# Altium PCB Wireless Security Board.PcbDoc (part 1 of 2) (continued)
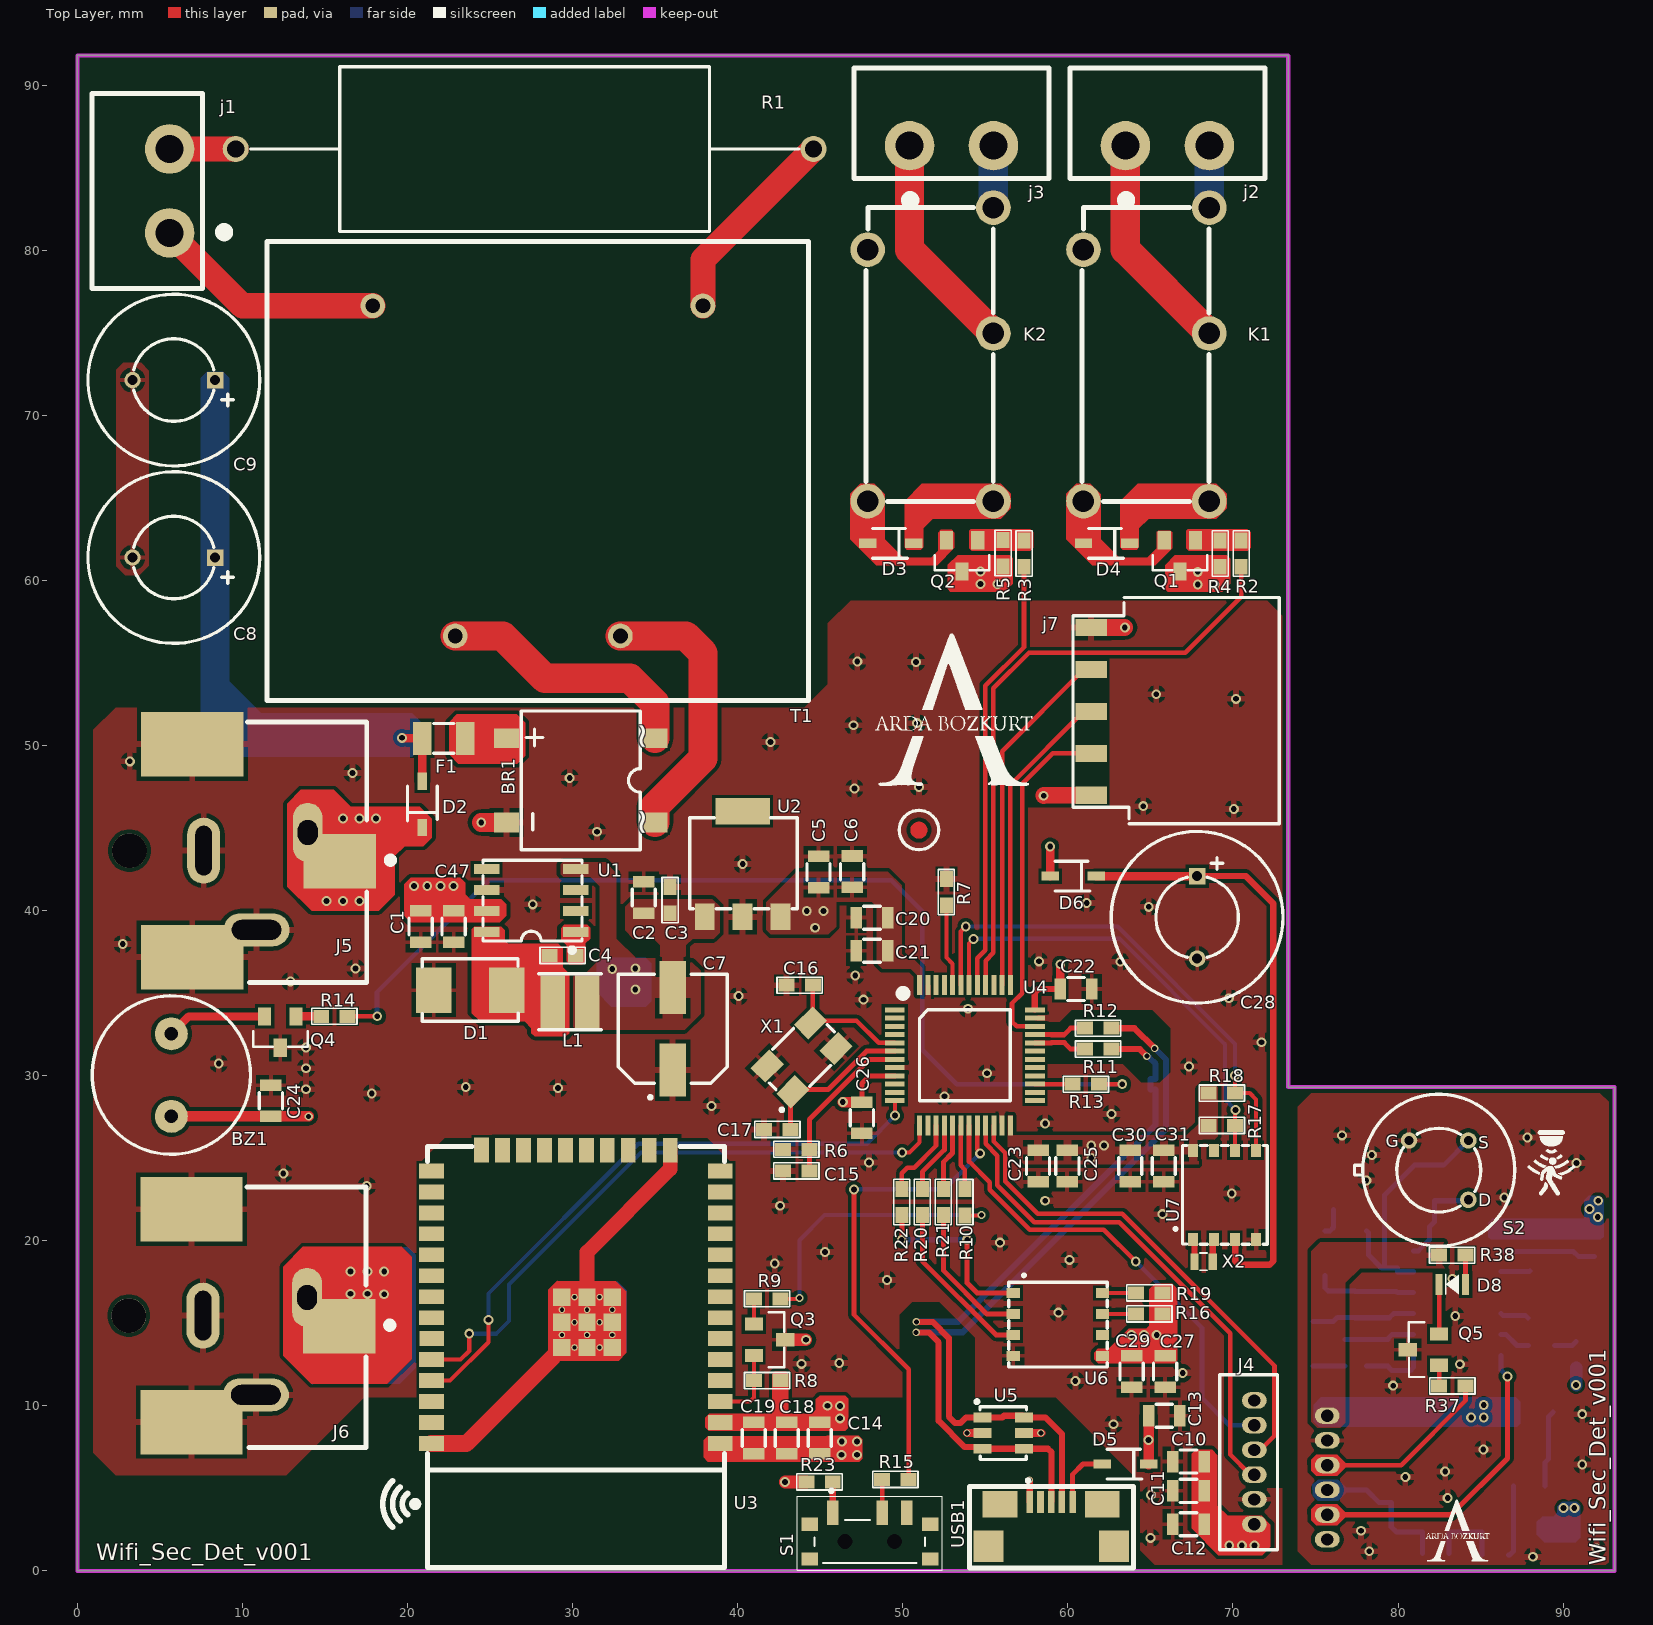
[diagram p0: Top Layer view]
## Part data (continued)
C7: library part "CAP ALUM 68UF", "Cap Aluminum Lytic 68uF 35V 20%( 6.3 X 7.7mm) SMD 0.34 Ohm 280mA 2000h 105C T/R", Manufacturer=KEMET, Supplier Part Number=80-EEV686M035A9HAA, Category="Aluminum Electrolytic Capacitors", ComponentLink1Description=https://datasheet.ciiva.com/5365/kem-a4002-eev-535332-5365784.pdf?src-supplier=Mouser, ComponentLink1URL=https://datasheet.ciiva.com/5365/kem-a4002-eev-535332-5365784.pdf?src-supplier=Mouser, Designed By="Arda B.", Manufacturer Part Number=EEV686M035A9HAA, Pricing="1=0,44, 10=0,299, 50=0,299, 100=0,203, 1000=0,16, 10000=0,139 (USD)", RoHS=Yes, Stock=14057, Supplier=Mouser
C8 C9 C28: library part "CAP ALUM  POL 470UF", "Cap, 470UF, 50V, Alu Elec, Radial", Manufacturer=KEMET, Supplier Part Number=80-ESH477M050AH4AA, ComponentLink1Description=https://api.kemet.com/component-edge/download/datasheet/ESH477M050AH4AA.pdf?src-supplier=Digikey, ComponentLink1URL=https://api.kemet.com/component-edge/download/datasheet/ESH477M050AH4AA.pdf?src-supplier=Digikey, ComponentLink2Description=https://datasheet.octopart.com/ESH477M050AH4AA-KEMET-datasheet-130075338.pdf?src-supplier=Newark, ComponentLink2URL=https://datasheet.octopart.com/ESH477M050AH4AA-KEMET-datasheet-130075338.pdf?src-supplier=Newark, Manufacturer Part Number=ESH477M050AH4AA, Pricing="1=0,57, 10=0,32, 50=0,32, 100=0,215, 1000=0,165, 10000=0,149 (USD)", RoHS=Yes, Stock=7720, Supplier=Mouser
C16 C17: library part "CAP CER 20pF 0603", "0603 20 pF 50 V ±5 % Tolerance C0G/NP0 SMT Multilayer Ceramic Capacitor", Manufacturer="Walsin Technologies", Supplier Part Number=1292-1498-1-ND, Category="Ceramic Capacitors", ComponentLink1Description=http://www.farnell.com/datasheets/2340522.pdf?src-supplier=Farnell, ComponentLink1URL=http://www.farnell.com/datasheets/2340522.pdf?src-supplier=Farnell, ComponentLink2Description=https://datasheet.octopart.com/0603N200J500CT-Walsin-Technologies-datasheet-85392065.pdf?src-supplier=Element14, ComponentLink2URL=https://datasheet.octopart.com/0603N200J500CT-Walsin-Technologies-datasheet-85392065.pdf?src-supplier=Element14, ComponentLink3Description=http://www.farnell.com/datasheets/2340522.pdf?src-supplier=Newark, ComponentLink3URL=http://www.farnell.com/datasheets/2340522.pdf?src-supplier=Newark, ComponentLink4Description=http://www.passivecomponent.com/wp-content/uploads/2018/10/MLCC.pdf?src-supplier=Digi-Key, ComponentLink4URL=http://www.passivecomponent.com/wp-content/uploads/2018/10/MLCC.pdf?src-supplier=Digi-Key, ComponentLink5Description=https://datasheet.octopart.com/0603N200J500CT-Walsin-Technologies-datasheet-128065749.pdf?src-supplier=Future+Electronics, ComponentLink5URL=https://datasheet.octopart.com/0603N200J500CT-Walsin-Technologies-datasheet-128065749.pdf?src-supplier=Future+Electronics, ComponentLink6Description=https://datasheet.octopart.com/0603N200J500CT-Walsin-Technologies-datasheet-136037192.pdf?src-supplier=TECHDesign, ComponentLink6URL=https://datasheet.octopart.com/0603N200J500CT-Walsin-Technologies-datasheet-136037192.pdf?src-supplier=TECHDesign, Designed By="Arda B.", Manufacturer Part Number=0603N200J500CT, Pricing="1=0,1, 10=0,035, 50=0,02, 100=0,0155, 500=0,01166, 1000=0,00917 (USD)", RoHS=Yes, Stock=42580, Supplier=Digi-Key
C19 C22 C23 C24 C25 C26 C29 C30 C35 C37 C41 C42: library part "CAP CER 100nF 0805", "Multilayer Ceramic Capacitor, 0.1 uF, 50 V, ± 10%, X7R, 0805 [2012 Metric]", Case Code (Metric)=2012, Case Code (Imperial)=0805, Dielectric=X7R, Dielectric Material=Ceramic, Manufacturer="Kyocera AVX", Max Operating Temperature=125°C, Min Operating Temperature=-55°C, Package Quantity=4000, Tolerance=10%, Voltage=50V, Case/Package=0805, Category="Ceramic Capacitors", ComponentLink1Description=https://datasheet.ciiva.com/19475/2009691-19475858.pdf?src-supplier=Jameco, ComponentLink1URL=https://datasheet.ciiva.com/19475/2009691-19475858.pdf?src-supplier=Jameco, ComponentLink2Description=https://datasheet.ciiva.com/11786/0900766b802d4698-11786116.pdf?src-supplier=Rs, ComponentLink2URL=https://datasheet.ciiva.com/11786/0900766b802d4698-11786116.pdf?src-supplier=Rs, ComponentLink3Description=https://datasheet.ciiva.com/5416/cx7r-5416959.pdf?src-supplier=Mouser, ComponentLink3URL=https://datasheet.ciiva.com/5416/cx7r-5416959.pdf?src-supplier=Mouser, ComponentLink4Description=https://datasheet.ciiva.com/2988/cx7r-2988014.pdf?src-supplier=Avnet, ComponentLink4URL=https://datasheet.ciiva.com/2988/cx7r-2988014.pdf?src-supplier=Avnet, ComponentLink5Description=https://datasheet.ciiva.com/16199/cx7r-16199014.pdf?src-supplier=Future+Electronics, ComponentLink5URL=https://datasheet.ciiva.com/16199/cx7r-16199014.pdf?src-supplier=Future+Electronics, ComponentLink6Description=https://datasheet.ciiva.com/11504/cx7r-11504044.pdf?src-supplier=Avnet, ComponentLink6URL=https://datasheet.ciiva.com/11504/cx7r-11504044.pdf?src-supplier=Avnet, ComponentLink7Description=https://datasheet.ciiva.com/150/cx7r-150258.pdf?src-supplier=Digi-Key, ComponentLink7URL=https://datasheet.ciiva.com/150/cx7r-150258.pdf?src-supplier=Digi-Key, ComponentLink8Description=https://datasheet.ciiva.com/150/cx7r-150257.pdf?src-supplier=Digi-Key, ComponentLink8URL=https://datasheet.ciiva.com/150/cx7r-150257.pdf?src-supplier=Digi-Key, ComponentLink9Description=https://datasheet.ciiva.com/150/cx7r-150259.pdf?src-supplier=Digi-Key, ComponentLink9URL=https://datasheet.ciiva.com/150/cx7r-150259.pdf?src-supplier=Digi-Key, ComponentLink10Description=https://datasheet.ciiva.com/7812/cx7r-7812079.pdf?src-supplier=Element14, ComponentLink10URL=https://datasheet.ciiva.com/7812/cx7r-7812079.pdf?src-supplier=Element14, Designed By="Arda B.", Height=0.5mm, Lead Free="Lead Free", Length=2mm, Manufacturer Part Number=08055C104KAT2A, Material=4241ConductorMaterial, Packaging="Cut Tape", Pricing="4000=0,0139, 8000=0,0127, 12000=0,0121, 20000=0,012, 24000=0,0115, 100000=0,0076 (USD)", RoHS=Yes, RoHS Compliant=Yes, Series="MLCC X7R", Stock=4448000, Supplier="Arrow Electronics", Supplier Part Number=08055C104KAT2A, Termination=Standard, Voltage Rating (AC)=50V, Voltage Rating (DC)=50V, Weight=0.001411oz, Width=1.2mm
C32 C34: library part "CAP CER 33uF 1206", "C Series 1206 33 uF 16 V ±20 % Tolerance X5R SMT Multilayer Ceramic Capacitor", Case Code (Metric)=3216, Case Code (Imperial)=1206, Dielectric=X5R, Dielectric Material=Ceramic, Manufacturer=TDK, Max Operating Temperature=85°C, Min Operating Temperature=-55°C, Package Quantity=2000, Supplier Part Number=445-6002-1-ND, Tolerance=20%, Voltage Rating=16V, Case/Package=1206, Category="Ceramic Capacitors", ComponentLink1Description=https://datasheet.ciiva.com/24219/c3216x5r1c336m160ab-265284-24219738.pdf?src-supplier=Mouser, ComponentLink1URL=https://datasheet.ciiva.com/24219/c3216x5r1c336m160ab-265284-24219738.pdf?src-supplier=Mouser, ComponentLink2Description=https://datasheet.ciiva.com/15192/getdatasheetpartid-714446-15192221.pdf?src-supplier=Verical, ComponentLink2URL=https://datasheet.ciiva.com/15192/getdatasheetpartid-714446-15192221.pdf?src-supplier=Verical, ComponentLink3Description=https://datasheet.ciiva.com/6285/tdkmlcccaprange-6285581.pdf?src-supplier=Digi-Key, ComponentLink3URL=https://datasheet.ciiva.com/6285/tdkmlcccaprange-6285581.pdf?src-supplier=Digi-Key, ComponentLink4Description=https://datasheet.ciiva.com/6285/tdkmlcccaprange-6285578.pdf?src-supplier=Digi-Key, ComponentLink4URL=https://datasheet.ciiva.com/6285/tdkmlcccaprange-6285578.pdf?src-supplier=Digi-Key, ComponentLink5Description=https://datasheet.ciiva.com/6285/tdkmlcccaprange-6285583.pdf?src-supplier=Digi-Key, ComponentLink5URL=https://datasheet.ciiva.com/6285/tdkmlcccaprange-6285583.pdf?src-supplier=Digi-Key, Construction=Flat, Depth=1.6mm, Designed By.="Arda B.", Height=1.6mm, Lead Free="Lead Free", Length=3.2mm, Manufacturer Part Number=C3216X5R1C336M160AB, Material=4241ConductorMaterial, Mounting Technology="Surface Mount", Packaging="Tape and Reel", Pricing="1=0,97, 10=0,7, 50=0,6118, 100=0,4985, 500=0,40788, 1000=0,35123 (USD)", Radiation Hardening=No, Reach SVHC Compliant=No, RoHS=Yes, RoHS Compliant=Yes, Series=C, Stock=80093, Supplier=Digi-Key, Termination=SMD/SMT, Voltage Rating (DC)=16V, Weight=0.000571oz, Width=1.6mm
D1: "Vz=5.6V 5.32V~5.88V Izt=66.9mA", Manufacturer="ON Semiconductor", Supplier Part Number=2411643, Workin Voltage=5,6V, Category="Zener Diodes", ComponentLink1Description=https://datasheet.ciiva.com/27747/1308331-27747654.pdf?src-supplier=Jameco, ComponentLink1URL=https://datasheet.ciiva.com/27747/1308331-27747654.pdf?src-supplier=Jameco, ComponentLink2Description=https://datasheet.ciiva.com/895/1smb5913bt3-d-895203.pdf?src-supplier=Digi-Key, ComponentLink2URL=https://datasheet.ciiva.com/895/1smb5913bt3-d-895203.pdf?src-supplier=Digi-Key, ComponentLink3Description=https://datasheet.ciiva.com/895/1smb5913bt3-d-895204.pdf?src-supplier=Digi-Key, ComponentLink3URL=https://datasheet.ciiva.com/895/1smb5913bt3-d-895204.pdf?src-supplier=Digi-Key, ComponentLink4Description=https://datasheet.ciiva.com/895/1smb5913bt3-d-895205.pdf?src-supplier=Digi-Key, ComponentLink4URL=https://datasheet.ciiva.com/895/1smb5913bt3-d-895205.pdf?src-supplier=Digi-Key, ComponentLink5Description=https://datasheet.ciiva.com/15198/getdatasheetpartid-311040-15198695.pdf?src-supplier=Verical, ComponentLink5URL=https://datasheet.ciiva.com/15198/getdatasheetpartid-311040-15198695.pdf?src-supplier=Verical, ComponentLink6Description=https://datasheet.ciiva.com/1182/1smb5913bt3-d-1182657.pdf?src-supplier=Element14, ComponentLink6URL=https://datasheet.ciiva.com/1182/1smb5913bt3-d-1182657.pdf?src-supplier=Element14, ComponentLink7Description=https://datasheet.ciiva.com/1182/1smb5913bt3-d-1182658.pdf?src-supplier=Element14, ComponentLink7URL=https://datasheet.ciiva.com/1182/1smb5913bt3-d-1182658.pdf?src-supplier=Element14, ComponentLink8Description=https://datasheet.ciiva.com/16311/1smb5913bt3-d-16311847.pdf?src-supplier=Future+Electronics, ComponentLink8URL=https://datasheet.ciiva.com/16311/1smb5913bt3-d-16311847.pdf?src-supplier=Future+Electronics, Designed By="Arda B.", Manufacturer Part Number=1SMB5919BT3G, Pricing="2500=0,0873, 7500=0,0839, 12500=0,0824, 25000=0,0803, 50000=0,0772 (USD)", RoHS=Yes, Stock=48000, Supplier="Future Electronics"
D2 D3 D4 D5 D6: library part "DIODE  75V 150MA SOD323F", "Diode Ultra Fast Recovery Rectifier 75V 0.15A 2-Pin SOD-323F T/R", Average Rectified Current=150mA, Manufacturer="ON Semiconductor / Fairchild", Max Forward Surge Current (Ifsm)=2A, Max Operating Temperature=150°C, Max Repetitive Reverse Voltage (Vrrm)=75V, Max Reverse Current=5uA, Min Operating Temperature=-55°C, Package Quantity=1, Supplier Part Number=1N4148WSFSCT-ND, Category="Rectifier Diodes", ComponentLink1Description=https://datasheet.ciiva.com/15208/getdatasheetpartid-127819-15208358.pdf?src-supplier=Verical, ComponentLink1URL=https://datasheet.ciiva.com/15208/getdatasheetpartid-127819-15208358.pdf?src-supplier=Verical, ComponentLink2Description=https://datasheet.ciiva.com/8300/1n914bws-8300360.pdf?src-supplier=Avnet, ComponentLink2URL=https://datasheet.ciiva.com/8300/1n914bws-8300360.pdf?src-supplier=Avnet, ComponentLink3Description=https://datasheet.ciiva.com/910/1n4148ws-910381.pdf?src-supplier=Digi-Key, ComponentLink3URL=https://datasheet.ciiva.com/910/1n4148ws-910381.pdf?src-supplier=Digi-Key, ComponentLink4Description=https://datasheet.ciiva.com/910/1n4148ws-910382.pdf?src-supplier=Digi-Key, ComponentLink4URL=https://datasheet.ciiva.com/910/1n4148ws-910382.pdf?src-supplier=Digi-Key, ComponentLink5Description=https://datasheet.ciiva.com/910/1n4148ws-910380.pdf?src-supplier=Digi-Key, ComponentLink5URL=https://datasheet.ciiva.com/910/1n4148ws-910380.pdf?src-supplier=Digi-Key, Designed By="Arda B.", Element Configuration=Single, Forward Current=150mA, Height=1mm, Lead Free="Lead Free", Length=1.8mm, Manufacturer Part Number=1N4148WS, Max Reverse Voltage (DC)=75V, Mounting Technology="Surface Mount", Packaging="Tape and Reel", Pins=2, Pricing="1=0,19, 10=0,136, 100=0,0733, 500=0,0576, 1000=0,04 (USD)", Radiation Hardening=No, Reach SVHC Compliant=No, Recovery Time=4ns, Reverse Recovery Time=4ns, Reverse Voltage=75V, RoHS=Yes, RoHS Compliant=Yes, Series=-, Stock=1155588, Supplier=Digi-Key, Weight=0.0276g, Width=1.35mm
D7: library part "LED GREEN 0805", "LED Low-Power Uni-Color Green 565nm 2.1V 2-Pin Chip LED T/R", Case Code (Metric)=2012, Case Code (Imperial)=0805, Color=Green, Forward Current=30mA, Forward Voltage=2.1V, Lens Color=Colorless, Manufacturer="Vishay Lite-On", Max Operating Temperature=85°C, Min Operating Temperature=-55°C, Package Quantity=3000, Power Dissipation=100mW, Reverse Voltage=5V, Supplier Part Number=160-1423-1-ND, Test Current=10mA, Case/Package=0805, Category=LEDs, ComponentLink1Description=https://datasheet.ciiva.com/2110/ltst-c171gkt-2110000.pdf?src-supplier=Digi-Key, ComponentLink1URL=https://datasheet.ciiva.com/2110/ltst-c171gkt-2110000.pdf?src-supplier=Digi-Key, ComponentLink2Description=https://datasheet.ciiva.com/11773/0900766b80dc0296-11773991.pdf?src-supplier=Rs, ComponentLink2URL=https://datasheet.ciiva.com/11773/0900766b80dc0296-11773991.pdf?src-supplier=Rs, ComponentLink3Description=https://datasheet.ciiva.com/12400/lite-on-ltst-c171gkt-190133-12400647.pdf?src-supplier=Mouser, ComponentLink3URL=https://datasheet.ciiva.com/12400/lite-on-ltst-c171gkt-190133-12400647.pdf?src-supplier=Mouser, ComponentLink4Description=https://datasheet.ciiva.com/2110/ltst-c171gkt-2110001.pdf?src-supplier=Digi-Key, ComponentLink4URL=https://datasheet.ciiva.com/2110/ltst-c171gkt-2110001.pdf?src-supplier=Digi-Key, ComponentLink5Description=https://datasheet.ciiva.com/2110/ltst-c171gkt-2110002.pdf?src-supplier=Digi-Key, ComponentLink5URL=https://datasheet.ciiva.com/2110/ltst-c171gkt-2110002.pdf?src-supplier=Digi-Key, ComponentLink6Description=https://datasheet.ciiva.com/16396/ltst-c171gkt-16396549.pdf?src-supplier=Future+Electronics, ComponentLink6URL=https://datasheet.ciiva.com/16396/ltst-c171gkt-16396549.pdf?src-supplier=Future+Electronics, Depth=1.25mm, Designed By="Arda B.", Dominant Wavelength=569nm, Height=0.9mm, Lead Free="Lead Free", Length=2mm, Lens Size=1.25mm, Lens Style=Flat,Diffused,Colorless,Rectangular,Clear, Lens Transparency=Clear, Luminous Intensity=12mcd, Manufacturer Part Number=LTST-C171GKT, Mounting Technology="Surface Mount", Number of Elements=1, Number of LEDs=1, Packaging="Tape and Reel", Pins=2, Power Rating=100mW, Pricing="1=0,25, 10=0,136, 100=0,063, 500=0,05818, 1000=0,04557 (USD)", Radiation Hardening=No, RoHS=Yes, RoHS Compliant=Yes, Series=-, Stock=371262, Supplier=Digi-Key, Viewing Angle=130°, Wavelength=565nm, Width=1.25mm, Illumination Color=Green
D8: library part "LED RED 0805", "LED Uni-Color Super Red 645nm 2-Pin Chip 0805(2012Metric) T/R", Case Code (Metric)=2012, Case Code (Imperial)=0805, Color=Red, Forward Current=25mA, Forward Voltage=2.5V, Lens Color=White, Manufacturer="Osram Opto", Manufacturer Part Number=LSR976-NR-1, Max Operating Temperature=85°C, Min Operating Temperature=-30°C, Package Quantity=16000, Power Dissipation=65mW, Reverse Voltage=12V, Supplier Part Number=475-LSR976-NR-1CT-ND, Test Current=20mA, Case/Package=0805, Category=LEDs, ComponentLink1Description=https://datasheet.ciiva.com/4688/o-ls-ly-r976-24152-4688435.pdf?src-supplier=Mouser, ComponentLink1URL=https://datasheet.ciiva.com/4688/o-ls-ly-r976-24152-4688435.pdf?src-supplier=Mouser, ComponentLink2Description=https://datasheet.ciiva.com/26920/getdatasheetpartid-568367-26920831.pdf?src-supplier=Verical, ComponentLink2URL=https://datasheet.ciiva.com/26920/getdatasheetpartid-568367-26920831.pdf?src-supplier=Verical, ComponentLink3Description=https://datasheet.ciiva.com/2112/00078896-0-2112782.pdf?src-supplier=Digi-Key, ComponentLink3URL=https://datasheet.ciiva.com/2112/00078896-0-2112782.pdf?src-supplier=Digi-Key, ComponentLink4Description=https://datasheet.ciiva.com/2112/00078896-0-2112781.pdf?src-supplier=Digi-Key, ComponentLink4URL=https://datasheet.ciiva.com/2112/00078896-0-2112781.pdf?src-supplier=Digi-Key, ComponentLink5Description=https://datasheet.ciiva.com/2112/00078896-0-2112783.pdf?src-supplier=Digi-Key, ComponentLink5URL=https://datasheet.ciiva.com/2112/00078896-0-2112783.pdf?src-supplier=Digi-Key, Depth=1.35mm, Designed By="Arda B.", Dominant Wavelength=633nm, Height=0.9mm, Length=2.1mm, Lens Size=1.25mm, Lens Style=Flat,Diffused,Colorless,Rectangular, Lens Transparency=Diffused, Luminous Flux=0.47lm, Luminous Intensity=180mcd, Mounting Technology="Surface Mount", Number of Elements=1, Number of LEDs=1, Packaging="Tape and Reel", Pins=2, Pricing="1=0,27, 10=0,147, 100=0,0683, 500=0,06302, 1000=0,04937, 2000=0,04832 (USD)", Radiation Hardening=No, RoHS=Yes, RoHS Compliant=Yes, Series="CHIPLED 0805", Stock=164692, Supplier=Digi-Key, Viewing Angle=160°, Wavelength=633nm, Width=1.25mm, Illumination Color=Red
F1: library part "FUSE 3413.0216.22", "Fuse Chip Fast Acting 1A 32V SMD Solder Pad 1206 Glass T/R VDE/cULus", Case Code (Metric)=3216, Case Code (Imperial)=1206, Current Rating=1A, DC Cold Resistance=94.2mR, Manufacturer=Schurter, Max Operating Temperature=90°C, Min Operating Temperature=-55°C, Package Quantity=1000, Supplier Part Number=486-1144-1-ND, Voltage Rating=32V, Voltage Rating (DC)=63V, Approvals=VDE,cURus, Body Material=Glass,Epoxy, Case/Package=1206, Category=Fuses, ComponentLink1Description=https://datasheet.ciiva.com/301/typ-usi-1206-301440.pdf?src-supplier=Digi-Key, ComponentLink1URL=https://datasheet.ciiva.com/301/typ-usi-1206-301440.pdf?src-supplier=Digi-Key, ComponentLink2Description=https://datasheet.ciiva.com/8264/typ-usi-1206-8264583.pdf?src-supplier=Avnet, ComponentLink2URL=https://datasheet.ciiva.com/8264/typ-usi-1206-8264583.pdf?src-supplier=Avnet, ComponentLink3Description=https://datasheet.ciiva.com/16316/typ-usi-1206-16316588.pdf?src-supplier=Future+Electronics, ComponentLink3URL=https://datasheet.ciiva.com/16316/typ-usi-1206-16316588.pdf?src-supplier=Future+Electronics, ComponentLink4Description=https://datasheet.ciiva.com/301/typ-usi-1206-301439.pdf?src-supplier=Digi-Key, ComponentLink4URL=https://datasheet.ciiva.com/301/typ-usi-1206-301439.pdf?src-supplier=Digi-Key, ComponentLink5Description=https://datasheet.ciiva.com/14541/70160006-14541114.pdf?src-supplier=Allied+Electronics, ComponentLink5URL=https://datasheet.ciiva.com/14541/70160006-14541114.pdf?src-supplier=Allied+Electronics, ComponentLink6Description=https://datasheet.ciiva.com/14102/qousi1206-data-e-14102903.pdf?src-supplier=Distrelec, ComponentLink6URL=https://datasheet.ciiva.com/14102/qousi1206-data-e-14102903.pdf?src-supplier=Distrelec, ComponentLink7Description=https://datasheet.ciiva.com/301/typ-usi-1206-301441.pdf?src-supplier=Digi-Key, ComponentLink7URL=https://datasheet.ciiva.com/301/typ-usi-1206-301441.pdf?src-supplier=Digi-Key, Contact Plating=Gold, Designed By="Arda B.", Fuse Type="Board Mount (Cartridge Style Excluded)", Height=0.6mm, Lead Free="Lead Free", Length=3.2mm, Manufacturer Part Number=3413.0216.22, Mounting Technology="Surface Mount,PCB", Packaging="Tape and Reel", Pins=2, Pricing="1=0,67, 50=0,524, 100=0,397, 500=0,345 (USD)", RoHS=Yes, RoHS Compliant=Yes, Series="USI 1206", Stock=19073, Supplier=Digi-Key, Terminal Material=Tin, Termination=SMD/SMT, Voltage Rating (AC)=32V, Weight=0.000212oz, Width=1.6mm, Working Voltage=32V
j1 j2 j3: library part "TERMINAL BLOCK, PLUGGABLE, 5.08,", "2~24 Poles, Pluggable, Receptacle, Horizontal, 5.08 Pitch, Terminal Block Connector", Manufacturer="CUI Devices", Supplier Part Number=102-6406-ND, Category="Terminal Blocks", ComponentLink1Description=https://www.cuidevices.com/product/resource/digikeypdf/tbp01r1-508.pdf?src-supplier=Digi-Key, ComponentLink1URL=https://www.cuidevices.com/product/resource/digikeypdf/tbp01r1-508.pdf?src-supplier=Digi-Key, ComponentLink2Description=https://datasheet.octopart.com/TBP01R1-508-02BE-CUI-Devices-datasheet-147843976.pdf?src-supplier=Future+Electronics, ComponentLink2URL=https://datasheet.octopart.com/TBP01R1-508-02BE-CUI-Devices-datasheet-147843976.pdf?src-supplier=Future+Electronics, ComponentLink3Description=https://datasheet.octopart.com/TBP01R1-508-02BE-CUI-Devices-datasheet-154730754.pdf?src-supplier=Electro+Sonic, ComponentLink3URL=https://datasheet.octopart.com/TBP01R1-508-02BE-CUI-Devices-datasheet-154730754.pdf?src-supplier=Electro+Sonic, Designed By="Arda B.", Manufacturer Part Number=TBP01R1-508-02BE, Pricing="1=0,48, 10=0,252, 25=0,1788, 50=0,152, 100=0,1466, 250=0,12396, 500=0,11464, 1000=0,10131, 5000=0,07731 (USD)", RoHS=Yes, Stock=106815, Supplier=Digi-Key
J4 J8: library part "PİN HEADER 1X6", "WR-WTB Wire-to-Board Connectors 1.50 mm", Manufacturer="Wurth Electronics", Supplier Part Number=732-64800611622-ND, Category=Uncategorized, Designed By.="Arda B.", Manufacturer Part Number=64800611622, Pricing="1=0,42, 50=0,406, 100=0,384, 250=0,361, 500=0,339 (USD)", RoHS=No, Stock=544, Supplier=Digi-Key
J5 J6: library part "CONN PWR JACK 2X5.5MM", "2.0 x 6.3 mm, 5.0 A, Horizontal, Surface Mount (SMT), Dc Power Jack Connector", Case/Package=SMD/SMT, Color=Black, Current Rating=5A, Flammability Rating="UL94 V-0", Manufacturer=CUI, Max Operating Temperature=85°C, Min Operating Temperature=-25°C, Package Quantity=200, Supplier Part Number=490-PJ-037AH-SMT-TR, Voltage Rating=24V, Insulation Resistance=100MR, Category=Uncategorized, ComponentLink1Description=http://www.mouser.com/ds/2/670/pj-037ah-smt-516065.pdf?src-supplier=Mouser, ComponentLink1URL=http://www.mouser.com/ds/2/670/pj-037ah-smt-516065.pdf?src-supplier=Mouser, ComponentLink2Description=https://www.cui.com/product/resource/digikeypdf/pj-037ah-smt-tr.pdf?src-supplier=Digi-Key, ComponentLink2URL=https://www.cui.com/product/resource/digikeypdf/pj-037ah-smt-tr.pdf?src-supplier=Digi-Key, ComponentLink3Description=http://www.cui.com/product/resource/digikeypdf/pj-037ah-smt.pdf?src-supplier=Digi-Key, ComponentLink3URL=http://www.cui.com/product/resource/digikeypdf/pj-037ah-smt.pdf?src-supplier=Digi-Key, Connector Type=Jack, Contact Gender=Male, Contact Material=Copper, Contact Plating=Nickel, Designed By="Arda B.", Gender=Male, Housing Color=Black, Housing Material=Thermoplastic, Manufacturer Part Number=PJ-037AH-SMT-TR, Mounting Technology="Surface Mount,Through Hole", Number of Conductors=2, Orientation=Horizontal, Packaging="Tape and Reel", RoHS=Yes, Shielding=Unshielded, Supplier=Mouser, Termination=Solder
j7: "Samtec - SMH-105-02-L-S - Receptacle, 2.54MM, Tht, R/a, 5WAY", Flammability Rating="UL94 V-0", Manufacturer=Samtec, Max Operating Temperature=125°C, Min Operating Temperature=-55°C, Supplier Part Number=SAM11813-ND, Insulation Color=Black, Category=Connectors, ComponentLink1Description=http://www.farnell.com/datasheets/1927708.pdf?_ga=2.237598468.569325269.1503285096-1413671594.1503025027&src-supplier=Farnell, ComponentLink1URL=http://www.farnell.com/datasheets/1927708.pdf?_ga=2.237598468.569325269.1503285096-1413671594.1503025027&src-supplier=Farnell, ComponentLink2Description=http://www.samtec.com/documents/webfiles/pdf/SMH.PDF?src-supplier=Newark, ComponentLink2URL=http://www.samtec.com/documents/webfiles/pdf/SMH.PDF?src-supplier=Newark, ComponentLink3Description=http://www.samtec.com/documents/webfiles/pdf/SMH.PDF?src-supplier=Avnet, ComponentLink3URL=http://www.samtec.com/documents/webfiles/pdf/SMH.PDF?src-supplier=Avnet, ComponentLink4Description=http://suddendocs.samtec.com/catalog_english/smh.pdf?src-supplier=Digi-Key, ComponentLink4URL=http://suddendocs.samtec.com/catalog_english/smh.pdf?src-supplier=Digi-Key, Connector Type=Receptacle, Contact Finish - Mating=GOLD, Contact Material=Bronze, Contact Plating=Gold, Contact Shape=Square, Contact Type=Forked, Designed By="Arda B.", Fastening Type=Pull, Gender=Receptacle, Manufacturer Part Number=SMH-105-02-L-S, Number of Contacts=5, Number of Positions=5, Number of Rows=1, Orientation=Horizontal, Packaging=Rail/Tube, Pitch=2.54mm, Pricing="1=2,18, 10=1,899, 100=1,6968, 500=1,414, 1000=1,212, 5000=1,07464 (USD)", Radiation Hardening=No, Reach SVHC Compliant=No, RoHS=Yes, RoHS Compliant=Yes, Series=SMH, Stock=38, Supplier=Digi-Key, Termination=Solder, Insulation Material=Polymer
K1 K2: "Electromechanical Relay 12VDC 360Ohm 10(NO)/3(NC)A SPDT (( 20mm 10mm 16mm)) THT Power Relay", Manufacturer=Panasonic, Supplier Part Number=255-3562-ND, Category="Power Relays", ComponentLink1Description=https://datasheet.ciiva.com/24388/307ds-61b20-en-lq-24388909.pdf?src-supplier=Onlinecomponents.com, ComponentLink1URL=https://datasheet.ciiva.com/24388/307ds-61b20-en-lq-24388909.pdf?src-supplier=Onlinecomponents.com, Designed By="Arda B.", Manufacturer Part Number=ALQ112, Pricing="1=1,28, 10=1,204, 25=1,0704, 50=1,017, 100=0,9635, 250=0,85648, 500=0,80296, 1000=0,74942, 5000=0,72266 (USD)", RoHS=Yes, Stock=456, Supplier=Digi-Key
L1: library part "IND 47UH 390MA 2.3 OHM SMD", "Power Inductor, Aec-Q200, 47Uh, 0.39A Rohs Compliant: Yes", Case Code (Metric)=3030, Case Code (Imperial)=1212, Current Rating=390mA, DC Resistance (DCR)=2.3R, Manufacturer="Wurth Electronics", Max Operating Temperature=125°C, Min Operating Temperature=-40°C, Ratings=AEC-Q200, Saturation Current=1.18A, Self Resonant Frequency=8MHz, Supplier Part Number=732-6947-1-ND, Test Frequency=100kHz, Tolerance=30%, Case/Package=1212, Category="Fixed Inductors", ComponentLink1Description=https://media.digikey.com/pdf/Data%20Sheets/Wurth%20Electronics%20PDFs/Q+_Products_Flyer.pdf?src-supplier=Digi-Key, ComponentLink1URL=https://media.digikey.com/pdf/Data%20Sheets/Wurth%20Electronics%20PDFs/Q+_Products_Flyer.pdf?src-supplier=Digi-Key, Core Material=Ferrite, Designed By="Arda B.", Height - Seated (Max)=0.059inch, Length=0.118inch, Manufacturer Part Number=78438335470, Mounting Technology="Surface Mount", Packaging="Cut Tape", Pricing="1=2,11, 50=1,97, 250=1,803, 500=1,672 (USD)", RoHS=Yes, RoHS Compliant=Yes, Series=WE-MAIA, Shielding=Shielded, Stock=14755, Supplier=Digi-Key, Width=0.118inch
Q1 Q2 Q3 Q4 Q5: "Transistor General Purpose BJT NPN 40 Volt 0.2A Automotive 3-Pin SOT-23", Case/Package=SOT-23, Clock Frequency=300MHz, Collector Base Voltage (VCBO)=60V, Collector Emitter Breakdown Voltage=40V, Collector Emitter Saturation Voltage=300mV, Continuous Collector Current=200mA, Emitter Base Voltage (VEBO)=6V, Manufacturer="Diodes Zetex", Max Operating Temperature=150°C, Max Power Dissipation=300mW, Min Operating Temperature=-55°C, Package Quantity=3000, Power Dissipation=350mW, Supplier Part Number=MMBT3904-FDICT-ND, Category=BJTs, Collector Emitter Voltage (VCEO)=40V, Collector-emitter Voltage-Max=300mV, ComponentLink1Description=https://datasheet.ciiva.com/11201/ds30036-11201778.pdf?src-supplier=Avnet, ComponentLink1URL=https://datasheet.ciiva.com/11201/ds30036-11201778.pdf?src-supplier=Avnet, ComponentLink2Description=https://datasheet.ciiva.com/15138/getdatasheetpartid-53265-15138780.pdf?src-supplier=Verical, ComponentLink2URL=https://datasheet.ciiva.com/15138/getdatasheetpartid-53265-15138780.pdf?src-supplier=Verical, ComponentLink3Description=https://datasheet.ciiva.com/22711/1915516-22711750.pdf?src-supplier=Element14, ComponentLink3URL=https://datasheet.ciiva.com/22711/1915516-22711750.pdf?src-supplier=Element14, ComponentLink4Description=https://datasheet.ciiva.com/11198/ds30036-11198999.pdf?src-supplier=Avnet, ComponentLink4URL=https://datasheet.ciiva.com/11198/ds30036-11198999.pdf?src-supplier=Avnet, ComponentLink5Description=https://datasheet.ciiva.com/6361/ds30036-6361256.pdf?src-supplier=Digi-Key, ComponentLink5URL=https://datasheet.ciiva.com/6361/ds30036-6361256.pdf?src-supplier=Digi-Key, ComponentLink6Description=https://datasheet.ciiva.com/6361/ds30036-6361254.pdf?src-supplier=Digi-Key, ComponentLink6URL=https://datasheet.ciiva.com/6361/ds30036-6361254.pdf?src-supplier=Digi-Key, Designed By="Arda B.", Frequency=300MHz, Gain Bandwidth Product=300MHz, Height=1mm, hFE Min=100, Lead Free="Lead Free", Length=3.05mm, Manufacturer Part Number=MMBT3904-7-F, Max Breakdown Voltage=40V, Max Collector Current=200mA, Mounting Technology="Surface Mount", Number of Elements=1, Packaging="Tape and Reel", Pins=3, Polarity=NPN, Pricing="1=0,12, 10=0,086, 100=0,0467, 500=0,03666, 1000=0,02545 (USD)", Radiation Hardening=No, Reach SVHC Compliant=No, RoHS=Yes, RoHS Compliant=Yes, Series="Automotive, AEC-Q101", Stock=5390800, Supplier=Digi-Key, Transition Frequency=300MHz, Voltage Rating (DC)=40V, Weight=0.000282oz, Width=1.4mm
R1: "RES 0.27 OHM 5% 5W AXIAL", Manufacturer=Multicomp, Manufacturer Part Number=MP006029, Supplier Part Number=17AJ6112, Designed By="Arda B.", Pricing="1=0,219, 250=0,166, 500=0,148, 1000=0,133, 5000=0,121 (USD)", RoHS=No, Stock=194, Supplier=Newark
R2 R3 R8 R30 R34 R37: library part "RES 1K OHM 0603", "Res Thick Film 0603 1K Ohm 1% 0.1W(1/10W) ±100ppm/C Pad SMD Automotive T/R", Case Code (Metric)=1608, Case Code (Imperial)=0603, Manufacturer="Stackpole Electronics", Max Operating Temperature=155°C, Max Power Dissipation=100mW, Min Operating Temperature=-55°C, Supplier Part Number=RMCF0603FT1K00CT-ND, Temperature Coefficient=100ppm/°C, Tolerance=1%, Voltage Rating=75V, Case/Package=0603, Category="Chip SMD Resistors", ComponentLink1Description=https://datasheet.octopart.com/RMCF0603FT1K00-Stackpole-Electronics-datasheet-11547379.pdf?src-supplier=Future+Electronics, ComponentLink1URL=https://datasheet.octopart.com/RMCF0603FT1K00-Stackpole-Electronics-datasheet-11547379.pdf?src-supplier=Future+Electronics, ComponentLink2Description=https://www.seielect.com/catalog/SEI-Packaging.pdf?src-supplier=Avnet, ComponentLink2URL=https://www.seielect.com/catalog/SEI-Packaging.pdf?src-supplier=Avnet, ComponentLink3Description=https://www.seielect.com/catalog/SEI-Packaging.pdf?src-supplier=Arrow+Electronics, ComponentLink3URL=https://www.seielect.com/catalog/SEI-Packaging.pdf?src-supplier=Arrow+Electronics, ComponentLink4Description=http://www.seielect.com/Catalog/SEI-rmc.pdf?src-supplier=Future+Electronics, ComponentLink4URL=http://www.seielect.com/Catalog/SEI-rmc.pdf?src-supplier=Future+Electronics, ComponentLink5Description=https://www.seielect.com/catalog/SEI-Packaging.pdf?src-supplier=Verical, ComponentLink5URL=https://www.seielect.com/catalog/SEI-Packaging.pdf?src-supplier=Verical, ComponentLink6Description=https://www.seielect.com/catalog/SEI-RMCF_RMCP.pdf?src-supplier=Avnet, ComponentLink6URL=https://www.seielect.com/catalog/SEI-RMCF_RMCP.pdf?src-supplier=Avnet, ComponentLink7Description=https://www.seielect.com/catalog/sei-rmcf_rmcp.pdf?src-supplier=Digi-Key, ComponentLink7URL=https://www.seielect.com/catalog/sei-rmcf_rmcp.pdf?src-supplier=Digi-Key, ComponentLink8Description=https://www.seielect.com/catalog/SEI-Packaging.pdf?src-supplier=Quest, ComponentLink8URL=https://www.seielect.com/catalog/SEI-Packaging.pdf?src-supplier=Quest, ComponentLink9Description=https://datasheet.octopart.com/RMCF0603FT1K00-Stackpole-Electronics-datasheet-155966809.pdf?src-supplier=Master+Electronics, ComponentLink9URL=https://datasheet.octopart.com/RMCF0603FT1K00-Stackpole-Electronics-datasheet-155966809.pdf?src-supplier=Master+Electronics, Construction=Rectangular, Contact Plating=Tin,Matte, Depth=0.8mm, Designed By="Arda B.", Features="Automotive AEC-Q200", Height=0.022inch, Lead Free="Lead Free", Length=1.55mm, Manufacturer Part Number=RMCF0603FT1K00, Military Standard=Not, Mounting Technology="Surface Mount", Number of Terminations=2, Packaging="Tape and Reel", Power Rating=100mW, Pricing="1=0,1, 10=0,015, 50=0,009, 100=0,0075, 500=0,00498, 1000=0,00425 (USD)", Radiation Hardening=No, RoHS=Yes, RoHS Compliant=Yes, Series=RMCF, Stock=2889922, Supplier=Digi-Key, Width=0.031inch